# Altium PCB Roll_Min_R01.PcbDoc (part 1 of 2)
Units mm, origin at the board's own origin, x right, y up, seen from the top; angles counter-clockwise.
Board outline 100 x 140 mm, 2 copper layers (TOP, BOT), stack 1.58 mm thick; 107 components, 80 nets, 269 pads, 47 vias.
Unrouted connection lines stored in the file: 32.
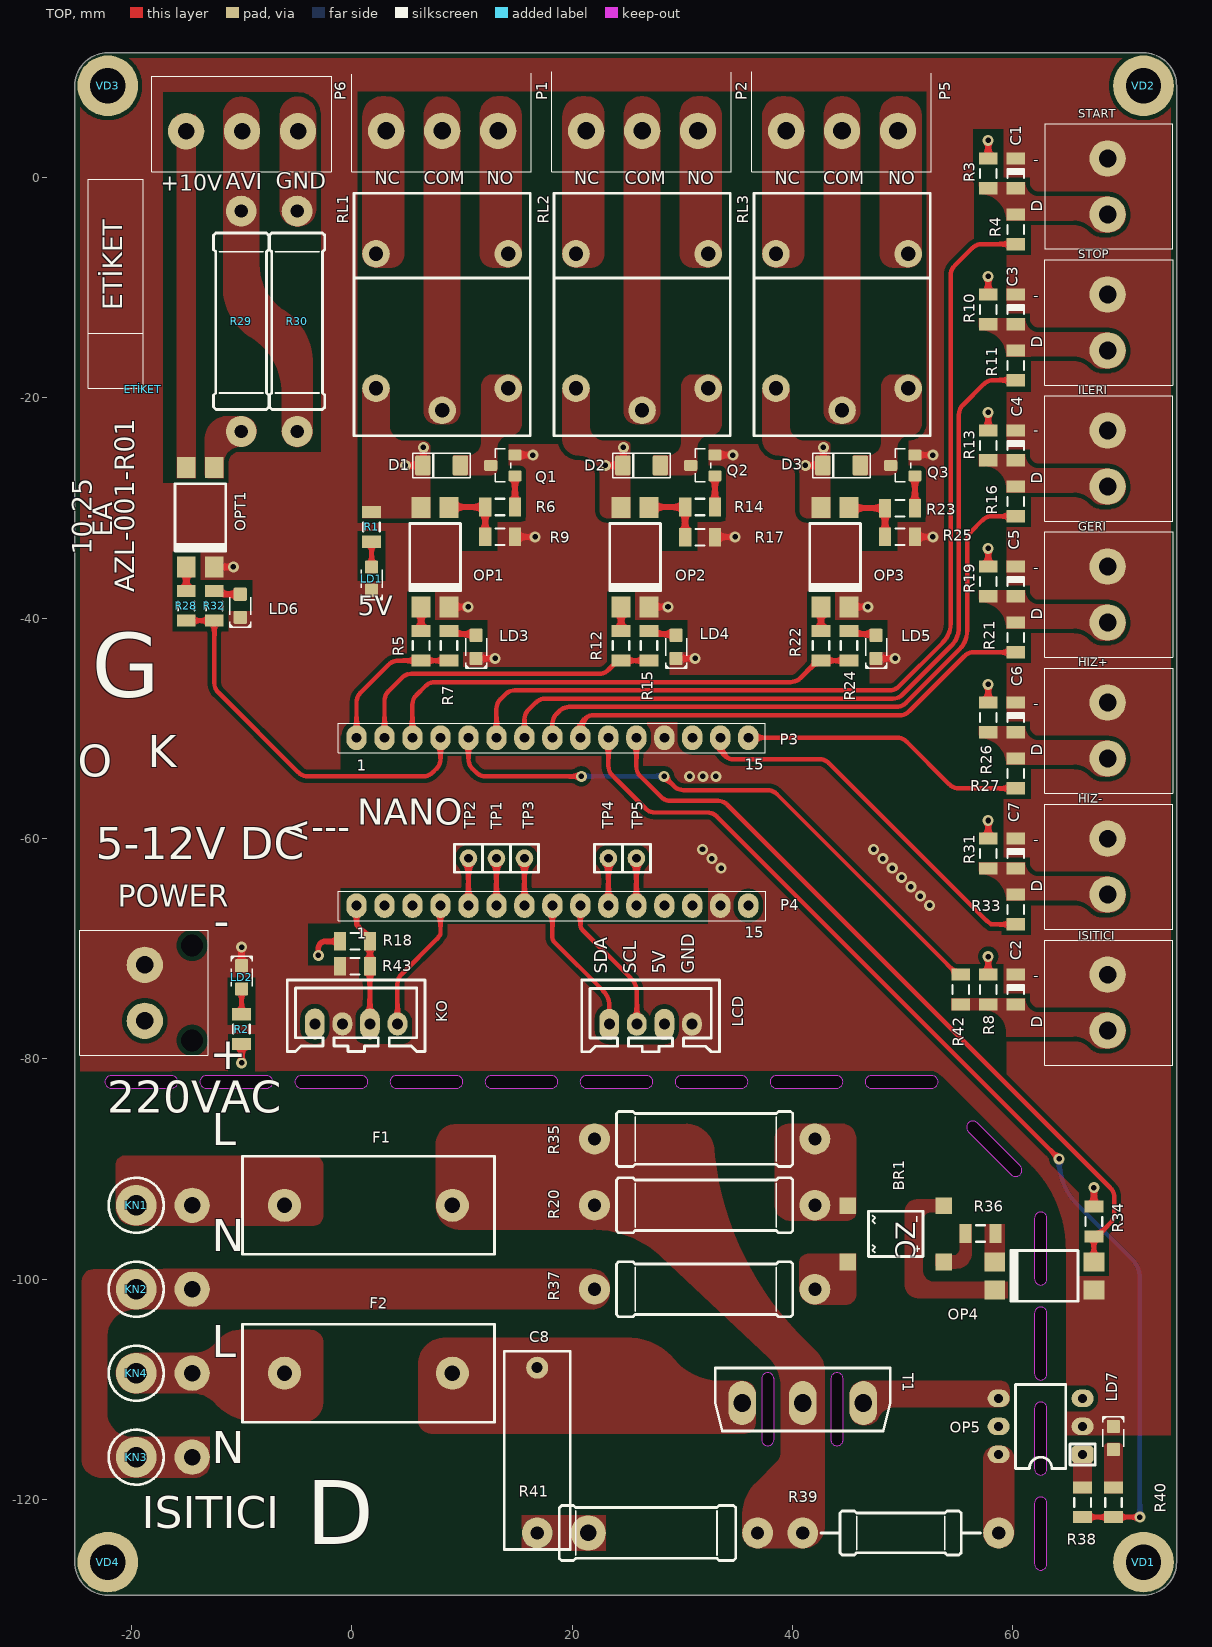
[diagram p0: TOP view]
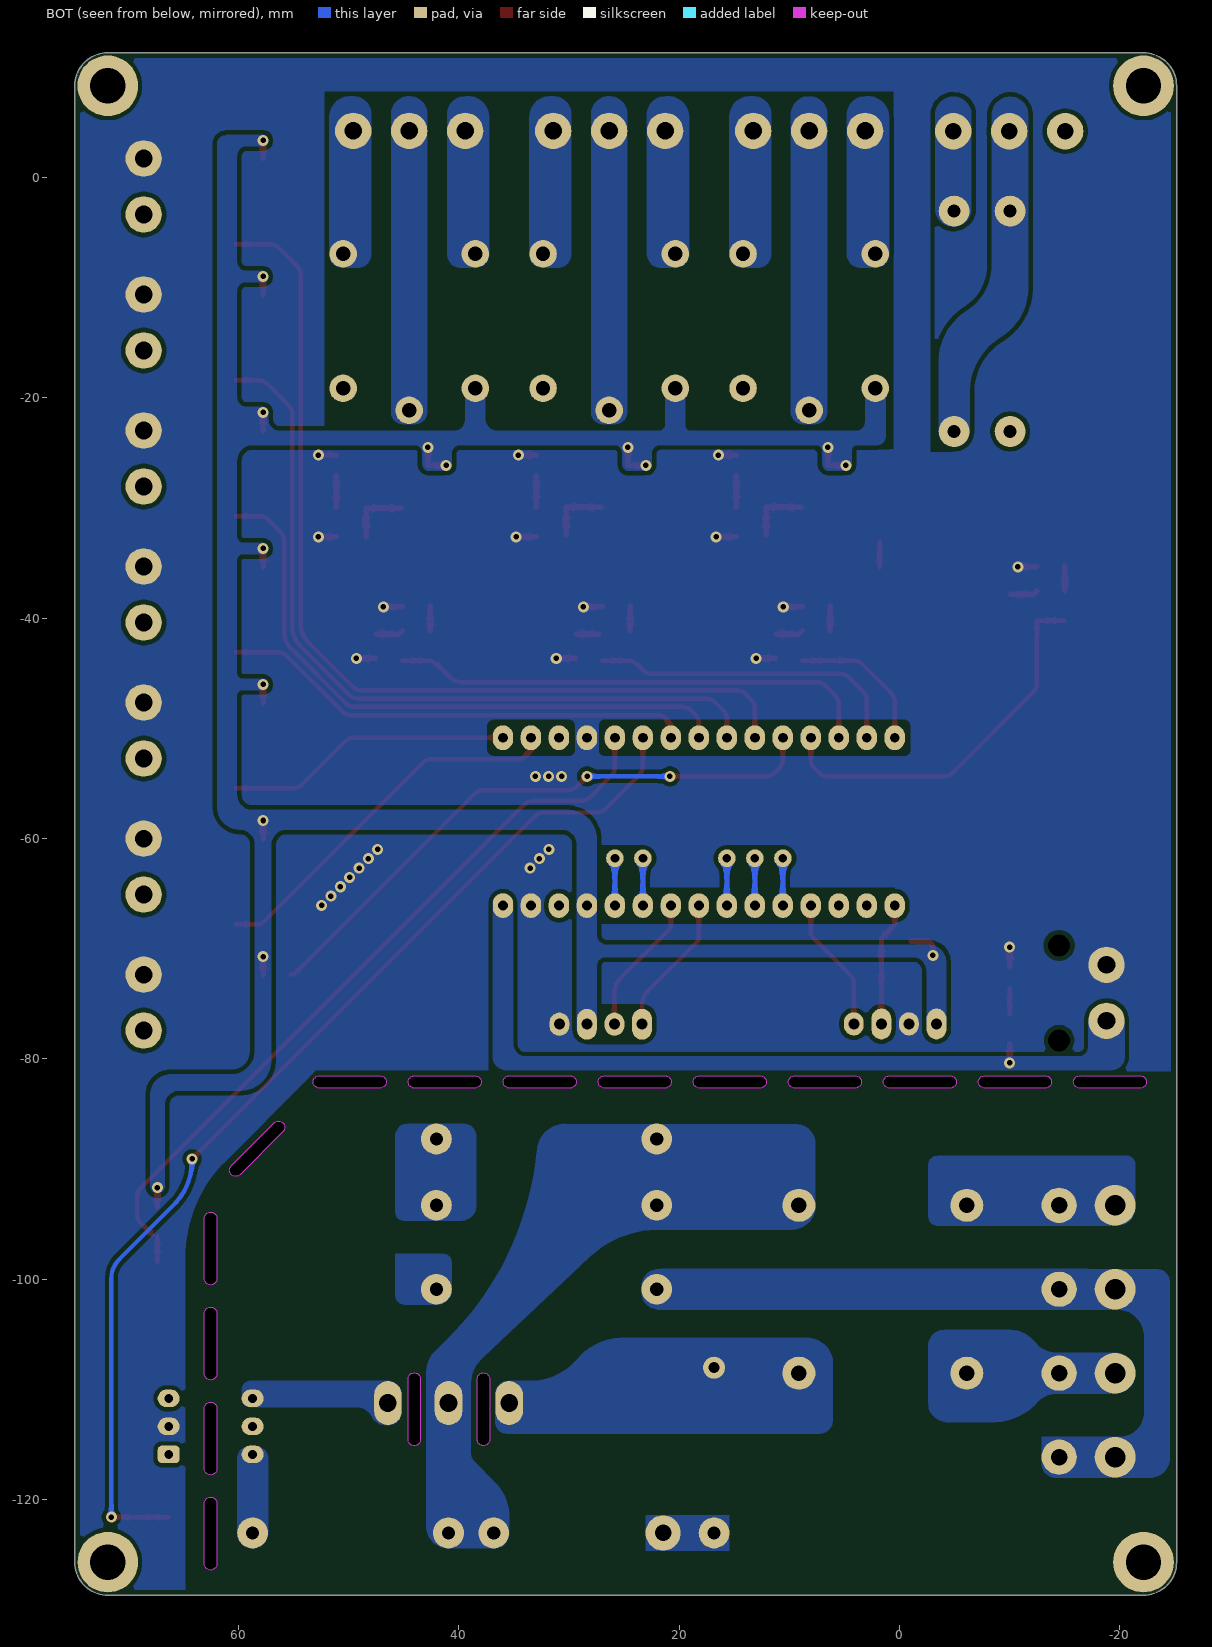
[diagram p1: BOT view, seen from below]

## Layer stack, top to bottom
Top Solder: solder mask 0.01, Solder Resist, Dk 3.5
TOP: signal copper 0.035
Dielectric 2: core 1.51, Core-009, Dk 4.5
BOT: signal copper 0.035
Bottom Solder: solder mask 0.01, Solder Resist, Dk 3.5

## Board outline
-22.133,-128.681 cw(c-22.133,-125.681) -25.133,-125.681 -25.133,8.319 cw(c-22.133,8.319) -22.133,11.319 71.867,11.319 cw(c71.867,8.319) 74.867,8.319 74.867,-125.681 cw(c71.867,-125.681) 71.867,-128.681
cut-out: 63.098,-125.836 63.098,-120.336 ccw(c62.535,-120.336) 62.535,-119.773 ccw(c62.535,-120.336) 61.973,-120.336 61.973,-125.836 ccw(c62.535,-125.836) 62.535,-126.398 ccw(c62.535,-125.836)
cut-out: 63.098,-117.211 63.098,-111.711 ccw(c62.535,-111.711) 62.535,-111.148 ccw(c62.535,-111.711) 61.973,-111.711 61.973,-117.211 ccw(c62.535,-117.211) 62.535,-117.773 ccw(c62.535,-117.211)
cut-out: 55.977,-86.607 59.866,-90.496 ccw(c60.264,-90.099) 60.661,-90.496 ccw(c60.264,-90.099) 60.661,-89.701 56.772,-85.812 ccw(c56.374,-86.21) 55.977,-85.812 ccw(c56.374,-86.21)
cut-out: 63.098,-99.961 63.098,-94.461 ccw(c62.535,-94.461) 62.535,-93.898 ccw(c62.535,-94.461) 61.973,-94.461 61.973,-99.961 ccw(c62.535,-99.961) 62.535,-100.523 ccw(c62.535,-99.961)
cut-out: 63.098,-108.586 63.098,-103.086 ccw(c62.535,-103.086) 62.535,-102.523 ccw(c62.535,-103.086) 61.973,-103.086 61.973,-108.586 ccw(c62.535,-108.586) 62.535,-109.148 ccw(c62.535,-108.586)
cut-out: 47.162,-82.652 52.662,-82.652 ccw(c52.662,-82.09) 53.225,-82.09 ccw(c52.662,-82.09) 52.662,-81.527 47.162,-81.527 ccw(c47.162,-82.09) 46.6,-82.09 ccw(c47.162,-82.09)
cut-out: 38.537,-82.652 44.037,-82.652 ccw(c44.037,-82.09) 44.6,-82.09 ccw(c44.037,-82.09) 44.037,-81.527 38.537,-81.527 ccw(c38.537,-82.09) 37.975,-82.09 ccw(c38.537,-82.09)
cut-out: 29.912,-82.652 35.412,-82.652 ccw(c35.412,-82.09) 35.975,-82.09 ccw(c35.412,-82.09) 35.412,-81.527 29.912,-81.527 ccw(c29.912,-82.09) 29.35,-82.09 ccw(c29.912,-82.09)
cut-out: 21.287,-82.652 26.787,-82.652 ccw(c26.787,-82.09) 27.35,-82.09 ccw(c26.787,-82.09) 26.787,-81.527 21.287,-81.527 ccw(c21.287,-82.09) 20.725,-82.09 ccw(c21.287,-82.09)
cut-out: -16.338,-81.527 -21.838,-81.527 ccw(c-21.838,-82.09) -22.4,-82.09 ccw(c-21.838,-82.09) -21.838,-82.652 -16.338,-82.652 ccw(c-16.338,-82.09) -15.775,-82.09 ccw(c-16.338,-82.09)
cut-out: -7.713,-81.527 -13.213,-81.527 ccw(c-13.213,-82.09) -13.775,-82.09 ccw(c-13.213,-82.09) -13.213,-82.652 -7.713,-82.652 ccw(c-7.713,-82.09) -7.15,-82.09 ccw(c-7.713,-82.09)
cut-out: 0.912,-81.527 -4.588,-81.527 ccw(c-4.588,-82.09) -5.15,-82.09 ccw(c-4.588,-82.09) -4.588,-82.652 0.912,-82.652 ccw(c0.912,-82.09) 1.475,-82.09 ccw(c0.912,-82.09)
cut-out: 9.537,-81.527 4.037,-81.527 ccw(c4.037,-82.09) 3.475,-82.09 ccw(c4.037,-82.09) 4.037,-82.652 9.537,-82.652 ccw(c9.537,-82.09) 10.1,-82.09 ccw(c9.537,-82.09)
cut-out: 12.662,-82.652 18.162,-82.652 ccw(c18.162,-82.09) 18.725,-82.09 ccw(c18.162,-82.09) 18.162,-81.527 12.662,-81.527 ccw(c12.662,-82.09) 12.1,-82.09 ccw(c12.662,-82.09)
cut-out: 43.487,-109.052 43.487,-114.552 ccw(c44.05,-114.552) 44.05,-115.115 ccw(c44.05,-114.552) 44.612,-114.552 44.612,-109.052 ccw(c44.05,-109.052) 44.05,-108.49 ccw(c44.05,-109.052)
cut-out: 37.212,-109.052 37.212,-114.552 ccw(c37.775,-114.552) 37.775,-115.115 ccw(c37.775,-114.552) 38.337,-114.552 38.337,-109.052 ccw(c37.775,-109.052) 37.775,-108.49 ccw(c37.775,-109.052)

## Design rules (kind name [scope] priority, off if disabled: settings)
AcuteAngle [All] p1: minimum=7.00000000000000E+0001 checktracksonly=TRUE
AssemblyTestPointUsage [All] p1 off:
AssemblyTestpoint [All] p1 off: testpointundercomponent=TRUE minsize=1.016 maxsize=2.54 preferedsize=1.524 minholesize=0 maxholesize=1.016 preferedholesize=0.813 testpointgrid=0.025 usegrid=TRUE gridtolerance=0 allowsidetop=TRUE allowsidebottom=TRUE
BoardOutlineClearance [All] p1: gap=0.5 ignorepadtopadclearanceinfootprint=FALSE except(0: Text-OutlineEdge Text-CavityEdge Text-CutoutEdge Text-SplitBarrior Text-SplitContinuation; 0.1: Poly-CutoutEdge; 0.3: Track-OutlineEdge)
Clearance POLY_GND [All vs (InNamedPolygon('GND_L01_P3079') OR InNamedPolygon('GND_L02_P3177'))] p1: gap=1 ignorepadtopadclearanceinfootprint=FALSE
Clearance polygon [All vs InPolygon] p2: gap=0.4 ignorepadtopadclearanceinfootprint=FALSE
Clearance Genel [All] p3: gap=0.25 ignorepadtopadclearanceinfootprint=FALSE except(0.245: Arc-Arc Arc-Track Track-Track)
ComponentClearance [All] p1: gap=0 collisioncheckmode=3 verticalgap=0 showdistances=FALSE
DiffPairsRouting [All] p1: maxlimit=0.2 minlimit=0.2 mostfreqgap=0.2 toplayer_minwidth=0.2 toplayer_maxwidth=0.2 toplayer_prefwidth=0.2 bottomlayer_minwidth=0.2 bottomlayer_maxwidth=0.2 bottomlayer_prefwidth=0.2 maxuncoupledlength=10
FabricationTestPointUsage [All] p1 off: valid=0 allowmultiple=FALSE
FabricationTestpoint [All] p1 off: side=3 testpointundercomponent=TRUE minsize=1.016 maxsize=2.54 preferedsize=1.524 minholesize=0 maxholesize=1.016 preferedholesize=0.813 testpointgrid=0.025 allowsidetop=TRUE allowsidebottom=TRUE usegrid=TRUE gridtolerance=0
FanoutControl Fanout_BGA [IsBGA] p1: bgadir=Out bgaviamode=Centered fanoutstyle=BGA fanoutdirection=Alternating viagrid=0.025 // Fanout_BGA (Default Rule)
HoleSize [All] p1: absolutevalues=TRUE maxlimit=6.4 minlimit=0.05 maxpercent=80.000 minpercent=20.000
HoleToHoleClearance [All] p1: gap=0.5 allowstackedmicrovias=TRUE
MinimumAnnularRing [All] p1: minimumring=0.15
MinimumSolderMaskSliver [All] p1: minsoldermaskwidth=0
NetsToIgnore [All] p1:
PlaneClearance [All] p1: clearance=0.5
PlaneConnect [All] p1: planeconnectstyle=Direct reliefexpansion=0.5 reliefentries=4 reliefconductorwidth=0.25 reliefairgap=0.25
PolygonConnect [All] p1: connectstyle=Direct reliefconductorwidth=0.25 reliefentries=4 polygonreliefangle="90 Angle" airgapwidth=0.25
RoutingCorners [All] p1: cornerstyle=45-Degree minsetback=2.5 maxsetback=2.5
RoutingVias [All] p1: holewidth=0.2 width=0.5 viastyle="Through Hole" minholewidth=0.05 minwidth=0.35 maxholewidth=0.7 maxwidth=1
SMDEntry [All] p1: side=TRUE corner=TRUE anyangle=TRUE
SMDToCorner [All] p1: distance=0
SMDToPlane [All] p1: distance=0
SilkToSilkClearance [All] p1: silktosilkclearance=0.05
SilkToSolderMaskClearance [All] p1: minsilkscreentomaskgap=0.05 clearancetoexposedcopper=FALSE
SolderMaskExpansion [All] p1: expansion=0.05 istentingtop=FALSE
SupplyNets "Schematic Supply Nets_3" [InNet('GND')] p1: voltage=0.000
SupplyNets "Schematic Supply Nets_2" [InNet('+3v3')] p2: voltage=0.000
SupplyNets "Schematic Supply Nets_1" [InNet('+5v')] p3: voltage=0.000
SupplyNets "Schematic Supply Nets" [InNet('VIN')] p4: voltage=0.000
UnRoutedNet [All] p1: checkbadconnections=TRUE
ViasUnderSMD [All] p1: allowed=FALSE
Width [All] p1: maxlimit=5 minlimit=0.35 preferedwidth=0.4 minimp=50.000000 maximp=50.000000 favimp=50.000000
14 further rules are at their usual default settings.

## Components (designator, comment, footprint, x,y, rotation, side; value= is the part's Value field where it differs from the comment)
BR1 "" TO-269AA 49.372,-95.884 r270 top value=MB6S
C1 "100nF" C1206 60.281,0.378 r270 top
C2 "100nF" C1206 60.281,-73.692 r270 top
C3 "100nF" C1206 60.281,-11.967 r270 top
C4 "100nF" C1206 60.281,-24.312 r270 top
C5 "100nF" C1206 60.281,-36.657 r270 top
C6 "100nF" C1206 60.281,-49.002 r270 top
C7 "100nF" C1206 60.281,-61.347 r270 top
C8 "100NF 305VAC" "CFR F15 L18 B6 H12" 16.842,-108.029 r270 top
D1 "LL4148" SOD80 6.573,-26.136 r0 top
D2 "LL4148" SOD80 24.722,-26.136 r0 top
D3 "LL4148" SOD80 42.873,-26.136 r0 top
ETİKET "Etiket" ETIKET -18.924,-19.147 r90 top (schematic designator ETİKET1)
F1 "TK79" "TK 79" 9.142,-93.289 r180 top
F2 "TK79" "TK 79" 9.142,-108.529 r180 top
GERI "1730395" 1730395#1 66.462,-37.854 r270 top
HIZ+ "1730395" 1730395#1 66.462,-50.199 r270 top
HIZ- "1730395" 1730395#1 66.462,-62.544 r270 top
ILERI "1730395" 1730395#1 66.462,-25.509 r270 top
ISITICI "1730395" 1730395#1 66.462,-74.889 r270 top
KN1 "RT_01T_1.5A" RT_01T_1.5A -19.558,-93.289 r270 top
KN2 "RT_01T_1.5A" RT_01T_1.5A -19.558,-100.909 r270 top
KN3 "RT_01T_1.5A" RT_01T_1.5A -19.558,-116.149 r270 top
KN4 "RT_01T_1.5A" RT_01T_1.5A -19.558,-108.529 r270 top
KO "2641P0401T" 35312_4 -3.343,-76.827 r0 top
LCD "2641P0401T" 35312_4 23.382,-76.85 r0 top
LD1 "LTST C170 KGKT GRN" "LED0805 GRN" 1.809,-36.418 r90 top
LD2 "LTST C170 KGKT GRN" "LED0805 GRN" -9.99,-72.602 r270 top
LD3 "LTST C170 KGKT GRN" "LED0805 GRN" 11.296,-42.606 r90 top
LD4 "LTST C170 KGKT GRN" "LED0805 GRN" 29.446,-42.606 r90 top
LD5 "LTST C170 KGKT GRN" "LED0805 GRN" 47.596,-42.606 r90 top
LD6 "LTST C170 KGKT GRN" "LED0805 GRN" -10.108,-38.881 r90 top
LD7 "LTST C170 KGKT GRN" "LED0805 GRN" 69.142,-114.404 r270 top
OP1 "PS2501L-1-HA" DIP4SMD 6.303,-38.912 r90 top
OP2 "PS2501L-1-HA" DIP4SMD 24.453,-38.912 r90 top
OP3 "PS2501L-1-HA" DIP4SMD 42.603,-38.912 r90 top
OP4 "PS2501L-1-HA" DIP4SMD 58.422,-98.434 r0 top
OP5 "MOC3021" DIP6 66.342,-115.894 r180 top
OPT1 "PS2501L-1-HA" DIP4SMD -15.002,-35.287 r90 top
P1 "xxxx" 5.08_3pin#1 8.21,4.225 r0 top
P2 "xxxx" 5.08_3pin#1 26.36,4.225 r0 top
P3 "0022284103" HDR1X15 18.222,-50.852 r0 top
P4 "0022284103" HDR1X15 18.222,-66.092 r0 top
P5 "xxxx" 5.08_3pin#1 44.51,4.225 r0 top
P6 "xxxx" 5.08_3pin#2 -9.947,4.193 r0 top
POWER "1730395" 1730395#2 -16.626,-74.009 r90 top
Q1 "BC817-40" SOT23 13.723,-26.136 r90 top
Q2 "BC817-40" SOT23 31.873,-26.136 r90 top
Q3 "BC817-40" SOT23 50.023,-26.136 r90 top
R1 "470R" R1206 1.809,-31.718 r90 top
R2 "470R" R1206 -9.99,-77.302 r270 top
R3 "5K1" R1206 57.774,0.371 r90 top
R4 "5K1" R1206 60.274,-4.709 r270 top
R5 "470R" R1206 6.303,-42.502 r90 top
R6 "5K1" R1206 13.473,-29.918 r0 top
R7 "470R" R1206 8.843,-42.502 r270 top
R8 "5K1" R1206 57.774,-73.699 r90 top
R9 "5K1" R1206 13.472,-32.618 r180 top
R10 "5K1" R1206 57.774,-11.974 r90 top
R11 "5K1" R1206 60.274,-17.054 r270 top
R12 "470R" R1206 24.453,-42.502 r90 top
R13 "5K1" R1206 57.774,-24.319 r90 top
R14 "5K1" R1206 31.622,-29.918 r0 top
R15 "470R" R1206 26.993,-42.502 r270 top
R16 "5K1" R1206 60.274,-29.399 r270 top
R17 "5K1" R1206 31.622,-32.652 r180 top
R18 "470R" R1206 0.306,-69.331 r0 top
R19 "5K1" R1206 57.774,-36.664 r90 top
R20 "33K %5" RCA0516 42.042,-93.289 r180 top
R21 "5K1" R1206 60.274,-41.744 r270 top
R22 "470R" R1206 42.603,-42.502 r90 top
R23 "5K1" R1206 49.773,-30.018 r0 top
R24 "470R" R1206 45.143,-42.502 r270 top
R25 "5K1" R1206 49.773,-32.618 r180 top
R26 "5K1" R1206 57.774,-49.009 r90 top
R27 "5K1" R1206 60.274,-54.089 r270 top
R28 "470R" R1206 -15.002,-38.877 r90 top
R29 "33K %5" RCA0516 -10.027,-23.057 r90 top
R30 "33K %5" RCA0516 -4.947,-23.057 r90 top
R31 "5K1" R1206 57.774,-61.354 r90 top
R32 "470R" R1206 -12.462,-38.877 r270 top
R33 "5K1" R1206 60.274,-66.434 r270 top
R34 "5K1" R1206 67.367,-94.759 r270 top
R35 "33K %5" RCA0516 42.042,-87.269 r180 top
R36 "5K1" R1206 57.072,-95.849 r0 top
R37 "33K %5" RCA0516 42.042,-100.909 r180 top
R38 "5K1" R1206 66.342,-120.244 r90 top
R39 "510R %5" RCA0411 58.722,-123.029 r180 top
R40 "470R" R1206 69.142,-120.244 r270 top
R41 "33K %5" RCA0516 16.842,-123.029 r0 top
R42 "5K1" R1206 55.274,-73.699 r270 top
R43 "470R" R1206 0.306,-71.581 r180 top
RL1 "12V 10A 85C" JS1 8.21,-21.136 r90 top
RL2 "12V 10A 85C" JS1 26.36,-21.136 r90 top
RL3 "12V 10A 85C" JS1 44.51,-21.136 r90 top
START "1730395" 1730395#1 66.462,-0.819 r270 top
STOP "1730395" 1730395#1 66.462,-13.164 r270 top
T1 "BTA41-800BRG" TO247AC 40.942,-111.234 r0 top
TP1 "Test Point" TESTPIN 13.142,-61.792 r180 top
TP2 "Test Point" TESTPIN 10.602,-61.792 r180 top
TP3 "Test Point" TESTPIN 15.682,-61.792 r180 top
TP4 "Test Point" TESTPIN 23.302,-61.792 r180 top
TP5 "Test Point" TESTPIN 25.842,-61.792 r180 top
VD1 "Vida 3mm" "Vida 3mm"#1 71.867,-125.681 r0 top locked
VD2 "Vida 3mm" "Vida 3mm"#2 71.867,8.487 r0 top locked
VD3 "Vida 3mm" "Vida 3mm"#3 -22.108,8.438 r0 top locked
VD4 "Vida 3mm" "Vida 3mm"#3 -22.108,-125.562 r0 top locked

## Footprints (in the part's own frame and the unit in brackets; to place one, negate y for a bottom-side part, rotate by r counter-clockwise, add the part's x,y. Pads: shape width x height; smd on the part's side, far side on the other; paste and mask are expansions set on the pad)
5.08_3pin#1 [mm]
  round 3.3 hole 1.6 mask+0.1: 1(-5.08,0) 2(0,0) 3(5.08,0)
  silkscreen extent -8.21,-3.73 8.11,5.25, body extent -8.21,-5.73 8.07,5.98, height 18
5.08_3pin#2 [mm]
  round 3.3 hole 1.5 mask+0.1: 1(-5.08,0) 2(0,0) 3(5.08,0)
  silkscreen extent -8.22,-3.69 8.11,4.98, body extent -8.21,-5.73 8.07,5.98, height 18
35312_4 [mm]
  oval 1.8x2.8 hole 1: 1(0,0) 3(5,0)
  oval 1.8x2.1 hole 1: 2(2.5,0) 4(7.5,0)
  silkscreen extent -2.5,-2.5 10,4, body extent -2.48,-2.63 9.98,3.87, height 7
1730395#1 [mm]
  round 3.3 hole 1.6 mask+0.1: 1(-2.54,2.15) 2(2.54,2.15)
  silkscreen extent -5.68,-3.57 5.68,8.05, body extent -5.67,-3.57 5.67,8.05, height 18
1730395#2 [mm]
  round 1.5 hole 2 unplated: 0(-4.305,-2.15) 0(4.305,-2.15)
  round 3.3 hole 1.6 mask+0.1: 1(-2.54,2.15) 2(2.54,2.15)
  silkscreen extent -5.68,-3.58 5.68,8.05, body extent -5.67,-3.57 5.67,8.05, height 18
C1206 [mm]
  rect 1.1x1.7 smd: 1(-1.343,-0.007) 2(1.357,-0.007)
  silkscreen extent -0.39,-0.76 0.41,0.74, body extent -1.6,-0.8 1.6,0.8, height 1
"CFR F15 L18 B6 H12" [mm]
  round 2 hole 1: 1(0,0) ""(15,0)
  silkscreen extent -1.5,-3 16.5,3, body extent -1.5,-3 16.5,3, height 12
DIP4SMD [mm]
  rect 1.9x1.7 smd: 1(-0.055,0) 2(-0.055,-2.54) 3(8.945,-2.54) 4(8.945,0)
  silkscreen extent 1.4,-3.57 7.49,1.03, body extent -0.64,-3.56 9.53,1.03, height 3.85
DIP6 [mm]
  rrect50% 2x1.6 hole 0.8: 1(0,0)
  oval 2x1.6 hole 0.8: 2(0,-2.54) 3(0,-5.08) 4(7.62,-5.08) 5(7.62,-2.54) 6(7.62,0)
  silkscreen extent -1.14,-6.35 6.1,1.27, body extent -0.13,-6.1 7.75,1.02, height 4.79
ETIKET [mm]
  silkscreen extent 0,0 19,5
HDR1X15 [mm]
  oval 1.85x2.25 hole 0.9: 1(-17.78,0) 2(-15.24,0) 3(-12.7,0) 4(-10.16,0) 5(-7.62,0) 6(-5.08,0) 7(-2.54,0) 8(0,0) 9(2.54,0) 10(5.08,0) 11(7.62,0) 12(10.16,0) 13(12.7,0) 14(15.24,0) 15(17.78,0)
  silkscreen extent -19.43,-1.35 19.33,1.33, body extent -19.28,-1.21 19.33,1.21, height 8.51
JS1 [mm]
  round 2.5 hole 1.3: 1(0,0) 2(2,-6) 3(14.2,-6) 4(14.2,6) 5(2,6)
  silkscreen extent -2.3,-8 19.7,8, body extent -1.4,-7.9 18.4,7.9, height 15.8
"LED0805 GRN" [mm]
  rrect20% 1.2x1.2 smd: 1(-1.05,0) 2(1.05,0)
  silkscreen extent -1.93,-0.95 0.8,0.95, body extent -1.01,-0.62 1.01,0.62, height 1.1
R1206 [mm] "Chip Capacitor, Body 3.2x1.6mm, IPC Medium Density"
  rect 1.1x1.7 smd: 1(-1.35,0) 2(1.35,0)
  silkscreen extent -0.4,-0.75 0.4,0.75, body extent -1.6,-0.8 1.6,0.8, height 1
RCA0411 [mm]
  round 2.8 hole 1.2: 1(0,0) 2(17.78,0)
  silkscreen extent 1.65,-2 16.13,2, body extent -0.4,-2 18.18,2, height 4
RCA0516 [mm]
  round 2.8 hole 1.2: 1(0,0) 2(20,0)
  silkscreen extent 2,-2.5 18.01,2.5, body extent -1.83,-2.5 21.83,2.5, height 5
RT_01T_1.5A [mm]
  round 3.7 hole 1.85: 1(0,0)
  silkscreen extent -2.5,-2.5 2.5,2.5
SOD80 [mm]
  rrect20% 1.4x1.8 smd: 1(-0.112,0) 2(3.287,0)
  silkscreen extent -1.01,-1.1 4.19,1.1, body extent -0.09,-0.76 3.26,0.78, height 1.53
SOT23 [mm]
  rrect30% 1x1.2 smd: 1(-0.95,-1.1) 2(0.95,-1.1) 3(0,1.1)
  silkscreen extent -1.5,-0.7 1.5,0.7, body extent -1.5,-1.32 1.5,1.32, height 1.08
TESTPIN [mm]
  round 1.6 hole 0.8: 1(0,0)
  silkscreen extent -1.27,-1.27 1.27,1.27
"TK 79" [mm]
  round 3 hole 1.4: 1(0,0) 2(15.24,0)
  silkscreen extent -3.81,-4.45 19.05,4.45, body extent -4.42,-4.54 19.58,4.55, height 13.42
TO247AC [mm]
  oval 2.5x4 hole 1.6: 1(-5.5,0) 2(0,0) 3(5.5,0)
  silkscreen extent -7.94,-2.54 7.94,3.17, body extent -7.88,-2.48 7.87,2.67, height 35.39
TO-269AA [mm]
  rect 1.5x1.5 smd: 1(-2.55,-4.35) 2(2.55,-4.35) 3(2.55,4.35) 4(-2.55,4.35)
  silkscreen extent -2.05,-2.47 2.05,2.47, body extent -2.47,-3.52 2.48,3.52, height 2.9
"Vida 3mm"#1 [mm]
  round 5.5 hole 3.2 mask+0.1: 0(0,0)
"Vida 3mm"#2 [mm]
  round 5.5 hole 3.2 mask+0.1: 0(0,-0.168)
"Vida 3mm"#3 [mm]
  round 5.5 hole 3.2 mask+0.1: 0(-0.025,-0.119)

## Part data
BR1: library part MB6S, Part Number=MB6S
C1 C2 C3 C4 C5 C6 C7: library part EL1581-0015, "CAPACITOR, CERAMIC, 100nF, 50V, 10% TOLERANCE, X7R, 1206 PACKAGE", Manufacturer=AVX, Tolerance=10%, Initial Voltage=50V, Component Type=Standard, ESP=ESP-1000-157, Man Code=12065C104K4T2A, RS Stock Code=EL1581-0015, RS_PLM_Stock=VI-00023353, Thermal Stability=X7R, Type=CERAMIC
C8: library part "CFR15 100NF 305VAC M85 X2", Malzeme Tanımı="CAP T X2 100n 305V%10 F15", Part Number="CFR15 100NF 305VAC M85 X2", SAPStokKodu=1200920408
D1 D2 D3: library part 1N4148-S, Malzeme Tanımı="DIODE SWITCHING SM 75V 150mA LLN4148", Part Number=1N4148-S, SAPStokKodu=1200980003
F1 F2: library part "FUSE TK79", Part Number="FUSE TK79"
GERI HIZ+ HIZ- ILERI ISITICI POWER START STOP: library part 00157666, "CONN,RECT,PLUG,5.08MM,1ROW,2P-TH,1730395", Contact Rating=24A, Manufacturer="PHONEIX CONTACT", ANGLE=VERTICAL, Component Type=Standard, Contact Gender=SOKET, ESP=N/A, Man Code=1730395, Pin Count=2, PITCH=5.08mm, RS Stock Code=00157666, RS_PLM_Stock=00157666, Type=TH
OP1 OP2 OP3 OP4 OPT1: library part PS2501-1-H, Malzeme Tanımı="OPTOCOUP SM PS2501L-1-HA CTR=80-160", Part Number=PS2501-1-H, SAPStokKodu=1200980477
P1 P2 P5 P6: library part xx1, "CONN,RECT,PLUG,5.08MM,1ROW,3P-TH,xxx", Contact Rating=24A, Manufacturer="PHONEIX CONTACT", ANGLE=VERTICAL, Component Type=Standard, Contact Gender=SOKET, ESP=N/A, HelpURL=https://docs.arduino.cc/resources/schematics/A0000, Man Code=xxxx, Pin Count=2, PITCH=5.08mm, RS Stock Code=xx1, RS_PLM_Stock=xx1, Type=TH
P3 P4: library part xx2, "CONN, 2.54MM PITCH, THROUGH HOLE, SINGLE ROW, VERTICAL, 15 PIN, PIN,", Contact Rating=3A, Manufacturer=MOLEX, ANGLE=VERTICAL, Component Type=Standard, Contact Gender=PIN, ESP=DOC-00016411, HelpURL=‪D:\Datasheets\ssw\ssw-1xx-xx-xxx-x-xx-xxx-xx-mkt.pdf, Man Code=0022284103, Pin Count=15, PITCH=2.54mm, RS Stock Code=xx2, RS_PLM_Stock=xx2, Type=TH
R1 R2 R5 R7 R12 R15 R18 R22 R24 R28 R32 R40 R43: library part EL1591-0051, "RESISTOR , 470R, 0.25W, 1%, 1206 PACKAGE", Manufacturer=MULTICOMP, Power Rating=0.25W, Tolerance=1%, Assy=True, Component Type=Standard, ESP=ESP-1000-167, Man Code=MC025W12061470R, RS Stock Code=EL1591-0051, RS_PLM_Stock=VI-00023486
R3 R4 R6 R8 R9 R10 R11 R13 R14 R16 R17 R19 R21 R23 R25 R26 R27 R31 R33 R34 R36 R38 R42: library part EL1591-0038, "RESISTOR , 5K1, 1/4W, 1%, 1206 PACKAGE", Manufacturer=ROYALOHM, Power Rating=0.125W, Tolerance=1%, Assy=True, Component Type=Standard, ESP=ESP-1000-167, Man Code=1206S4F5101T5E, RS Stock Code=EL1591-0038, RS_PLM_Stock=VI-00023479
R20 R29 R30 R35 R37 R41: library part "RCA0516 33K %5 2W SS", Malzeme Tanımı="RES AXIAL CARB 33K %5 2W SSZ", Part Number="RCA0516 33K %5 2W SS", SAPStokKodu=1200970666
R39: library part "RCA0411 510R %5 1W", Malzeme Tanımı="RES AXIAL CARB 510R %5 1W", Part Number="RCA0411 510R %5 1W", SAPStokKodu=1200970285
RL1 RL2 RL3: library part "JS1 B 12V 10A 85C", Malzeme Tanımı="RELAY SPDT 12V 10A 16x22x16mm", Part Number="JS1 B 12V 10A 85C", SAPStokKodu=1200930032
T1: library part XXX, "BTA41", Manufacturer=STMicroelectronics, Component Type=Standard, Man Code=BTA41-800BRG, RS Stock Code=XXX, RS_PLM_Stock=XXX
TP1 TP2 TP3 TP4 TP5: library part TESTPIN, Part Number=TESTPIN
VD1 VD2 VD3 VD4: library part Vida3mm, Component Type=Mechanical, RS Stock Code=Vida3mm, RS_PLM_Stock=Vida3mm
ETİKET: Component Type=Mechanical, RS Stock Code=Etiket, RS_PLM_Stock=Etiket
KN1 KN2 KN3 KN4: Malzeme Tanımı="PIN HEADER d1,5mm L15.5 RT 01T 1.5A", Part Number=RT_01T_1.5A, SAPStokKodu=1200950950
KO LCD: Malzeme Tanımı="KONN 2.50mm 4'LU DIK 2641P0401T-1", Part Number=2641P0401T, SAPStokKodu=1200950842
LD1 LD2 LD3 LD4 LD5 LD6 LD7: Malzeme Tanımı="LED 0805 GREEN 35mcd 571nm AlInGaP", Part Number="LTST C170 KGKT GRN", SAPStokKodu=1200960005
OP5: Malzeme Tanımı="OPTO TH TRIAC 3021", Part Number=MOC3021, SAPStokKodu=1200980258
Q1 Q2 Q3: Malzeme Tanımı="TRANS SM NPN BC817-40 SOT-23", Part Number=BC817-40, SAPStokKodu=1200980331

## Free pads (board coordinates)
  round 3.2 hole 1.5: 2(-14.478,-116.149) 2(-14.478,-108.529) 2(-14.478,-100.909) 2(-14.478,-93.289) 2(21.467,-123.029)

## Via types
v1: diameter 1, hole 0.5, TOP to BOT, tented both sides, 47 vias
